# Altium PCB business_card_demo2.PcbDoc
Units mm, origin at the board's own origin, x right, y up, seen from the top; angles counter-clockwise.
Board outline 85.63 x 54.13 mm, 2 copper layers (Top Layer, Bottom Layer); 26 components, 1 nets, 182 pads, 59 vias.
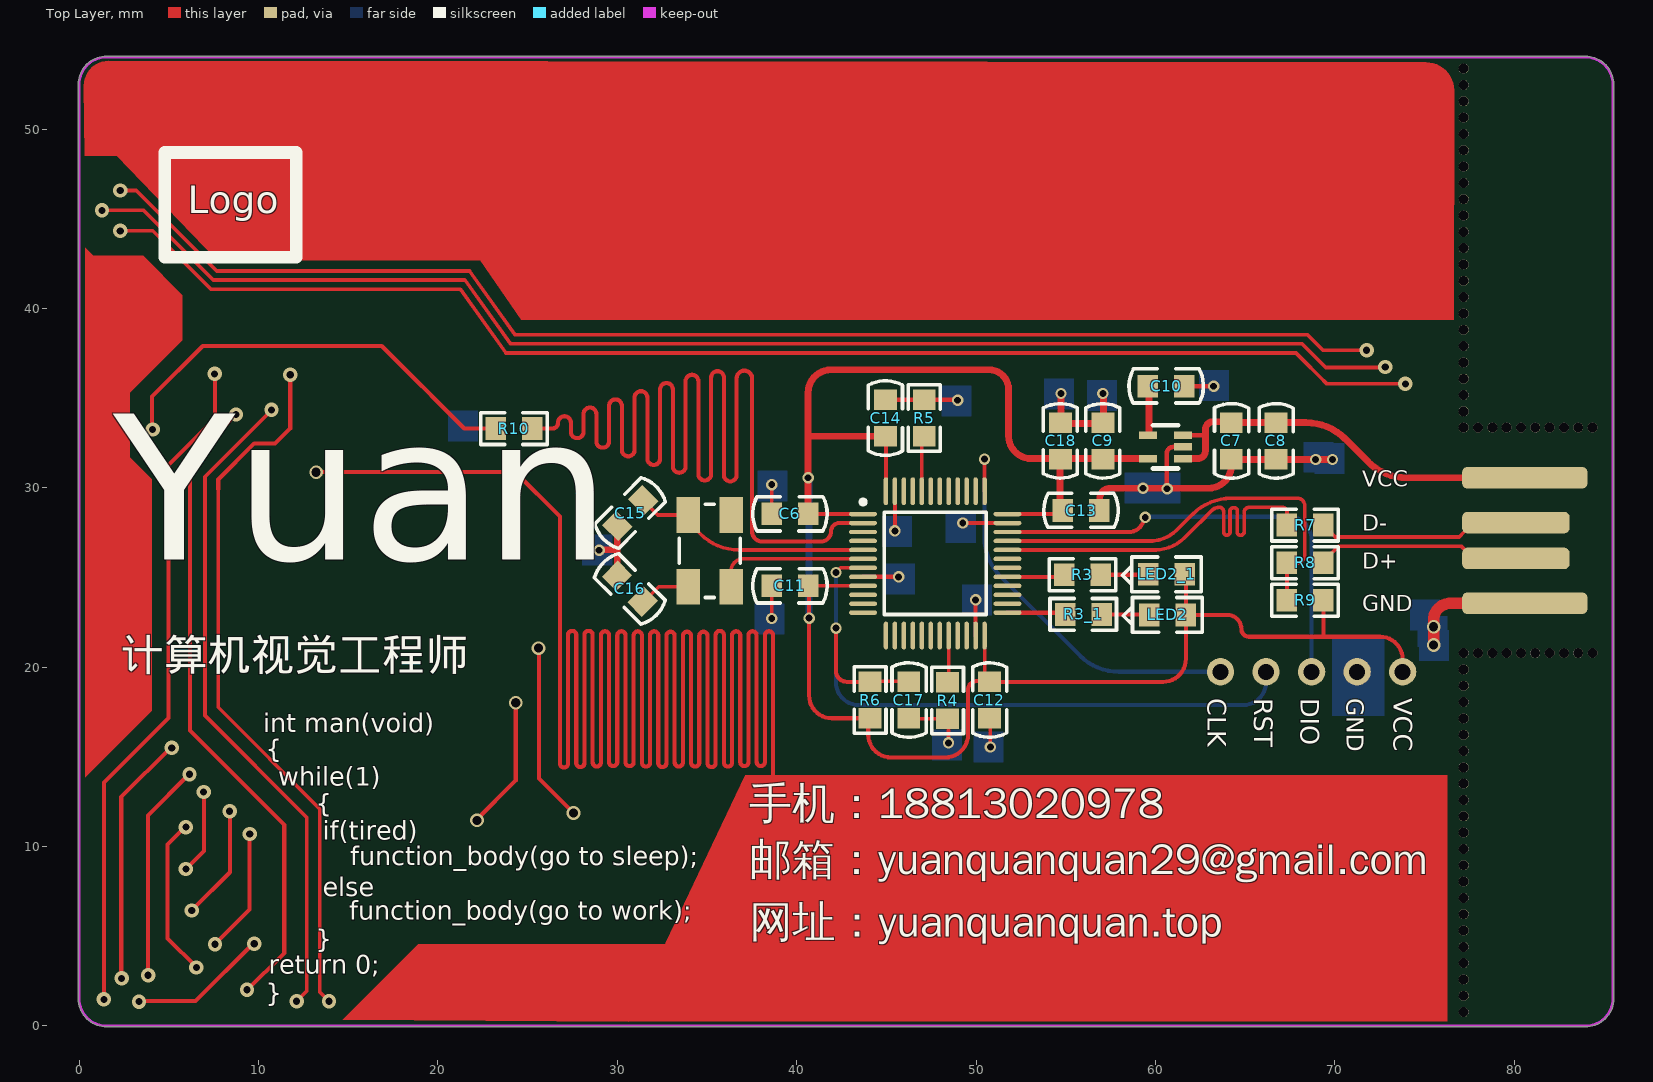
[diagram p0: Top Layer view]
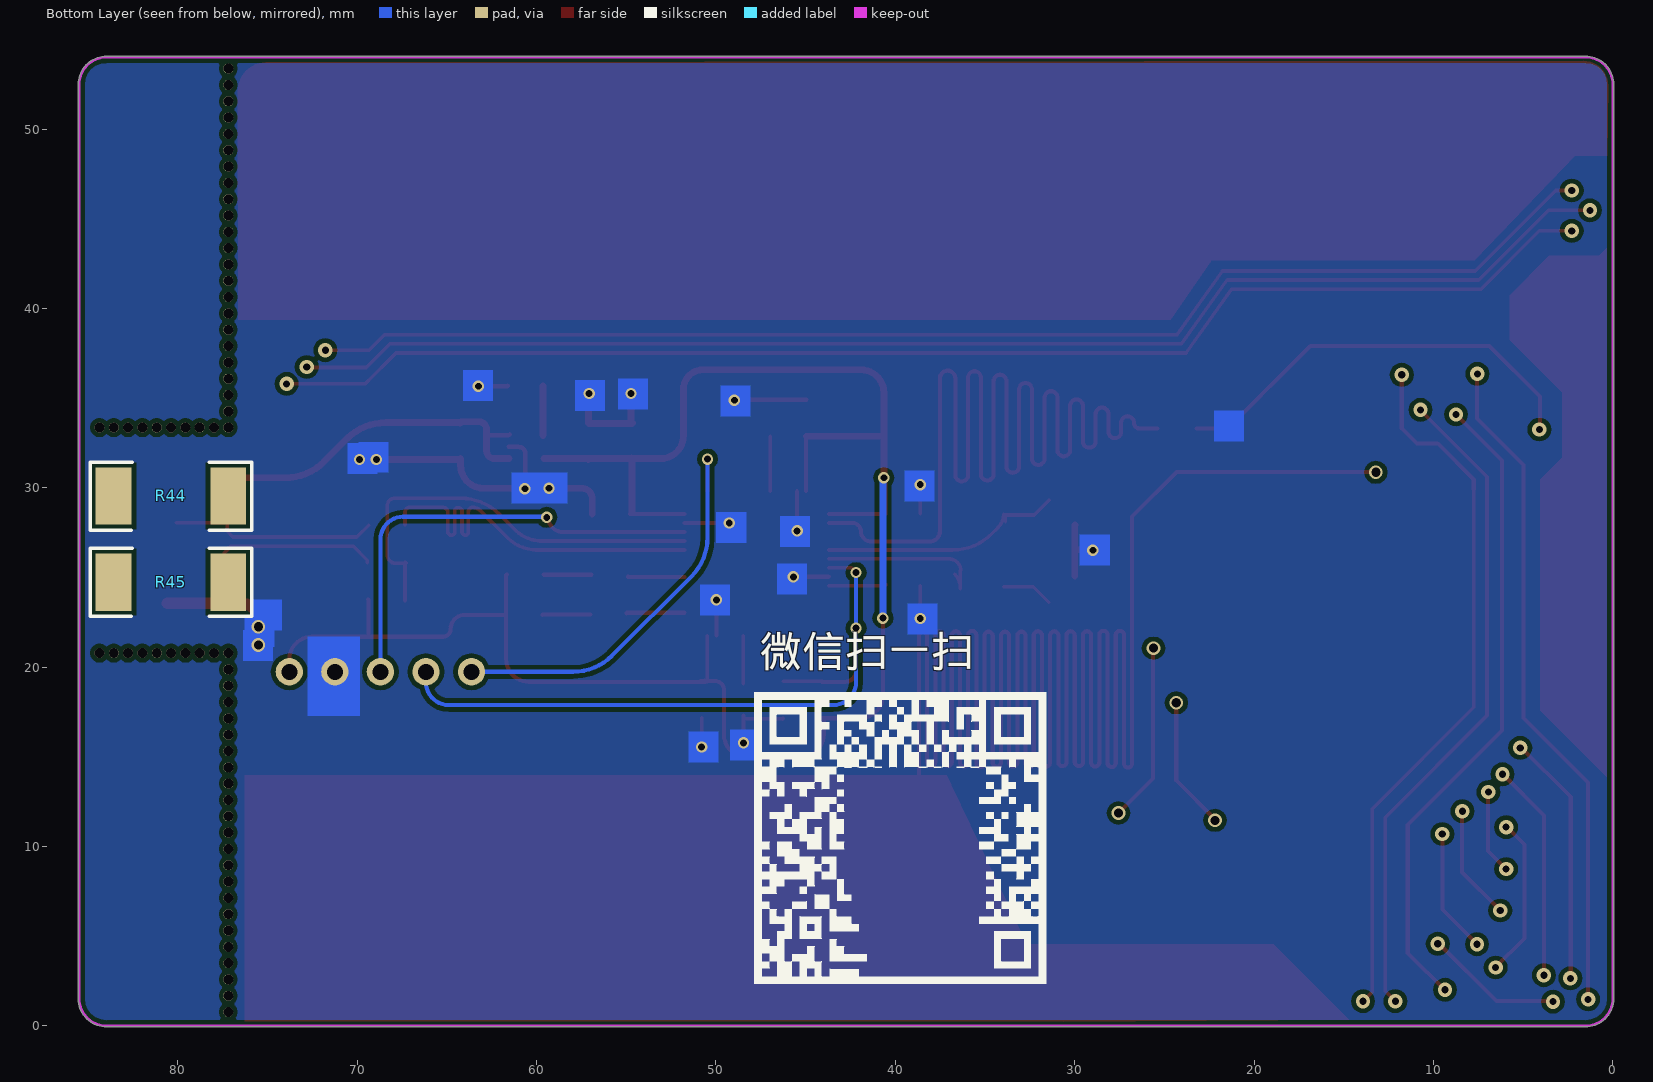
[diagram p1: Bottom Layer view, seen from below]

## Layer stack, top to bottom
Top Solder: solder mask 0.0102, Solder Resist, Dk 3.5
Top Layer: signal copper 0.0356
Dielectric1: dielectric 0.32, FR-4, Dk 4.8
Bottom Layer: signal copper 0.0356
Bottom Solder: solder mask 0.0102, Solder Resist, Dk 3.5

## Board outline
-0.064,1.492 cw(c0,1.499) -0.064,1.499 -0.064,52.451 cw(c0,52.451) -0.063,52.463 -0.063,52.464 cw(c0,52.476) -0.064,52.476 cw(c1.524,52.476) 1.524,54.064 cw(c1.524,54) 1.537,54.063 1.536,54.063 cw(c1.549,54) 1.549,54.064 83.947,54.064 cw(c83.947,54) 83.96,54.063 cw(c83.972,54) 83.972,54.064 cw(c83.972,52.476) 85.56,52.476 cw(c85.496,52.476) 85.56,52.469 cw(c85.5,52.447) 85.564,52.447 85.564,1.401 cw(c85.5,1.401) 85.556,1.371 cw(c83.976,1.524) 83.976,-0.064 1.524,-0.064 cw(c1.524,1.524)

## Design rules (kind name [scope] priority, off if disabled: settings)
Clearance [All] p1: gap=0.254 ignorepadtopadclearanceinfootprint=FALSE except(0: Arc-Hole Track-Hole SMDPad-Hole THPad-Hole Via-Hole Fill-Hole Poly-Hole Region-Hole Text-Hole)
PolygonConnect [All] p1: connectstyle=Relief reliefconductorwidth=0.254 reliefentries=4 polygonreliefangle="90 Angle" airgapwidth=0.254
RoutingVias [All] p1: holewidth=0.711 width=1.27 viastyle="Through Hole" minholewidth=0.711 minwidth=1.27 maxholewidth=0.711 maxwidth=8
SilkToSolderMaskClearance SilkscreenOverComponentPads [IsPad] p1: minsilkscreentomaskgap=0.254 clearancetoexposedcopper=TRUE
SolderMaskExpansion [All] p1: expansion=0.102
Width [All] p1: maxlimit=0.254 minlimit=0.254 preferedwidth=0.254
29 further rules are at their usual default settings.

## Components (designator, comment, footprint, x,y, rotation, side; value= is the part's Value field where it differs from the comment)
C6 "贴片电容" C0805 40.64,28.55 r180 top (schematic designator C54)
C7 "贴片电容" C0805 64.237,33.63 r270 top (schematic designator C54)
C8 "贴片电容" C0805 66.726,33.63 r270 top (schematic designator C54)
C9 "贴片电容" C0805 57.074,31.598 r90 top (schematic designator C54)
C10 "贴片电容" C0805 59.588,35.662 r0 top (schematic designator C54)
C11 "贴片电容" C0805 40.64,24.536 r180 top (schematic designator C54)
C12 "贴片电容" C0805 50.749,19.177 r270 top (schematic designator C54)
C13 "贴片电容" C0805 54.839,28.727 r0 top (schematic designator C54)
C14 "贴片电容" C0805 44.958,32.868 r90 top (schematic designator C54)
C15 "贴片电容" C0805 29.997,27.864 r45 top (schematic designator C54)
C16 "贴片电容" C0805 31.42,23.647 r135 top (schematic designator C54)
C17 "贴片电容" C0805 46.253,19.177 r270 top (schematic designator C54)
C18 "贴片电容" C0805 54.712,31.598 r90 top (schematic designator C54)
LED2 "LED" 0805-LED 61.697,22.911 r180 top
LED2_1 "LED" 0805-LED 61.646,25.171 r180 top (schematic designator LED2)
R3 "贴片电阻" R0805 54.915,25.146 r0 top (schematic designator R59)
R3_1 "贴片电阻" R0805 54.966,22.936 r0 top (schematic designator R59)
R4 "贴片电阻" R0805 48.412,17.12 r90 top (schematic designator R59)
R5 "贴片电阻" R0805 47.117,32.868 r90 top (schematic designator R59)
R6 "贴片电阻" R0805 44.094,17.145 r90 top (schematic designator R59)
R7 "贴片电阻" R0805 67.335,27.915 r0 top (schematic designator R59)
R8 "贴片电阻" R0805 67.335,25.819 r0 top (schematic designator R59)
R9 "贴片电阻" R0805 67.335,23.724 r0 top (schematic designator R59)
R10 "贴片电阻" R0805 25.248,33.299 r180 top (schematic designator R59)
R44 "贴片电阻" R2512 80.391,29.54 r0 bottom
R45 "贴片电阻" R2512 80.391,24.74 r0 bottom (schematic designator R44)

## Footprints (in the part's own frame and the unit in brackets; to place one, negate y for a bottom-side part, rotate by r counter-clockwise, add the part's x,y. Pads: shape width x height; smd on the part's side, far side on the other; paste and mask are expansions set on the pad)
0805-LED [mil]
  rect 45x50 smd: 1(0,0) 2(80,0)
  silkscreen extent -36,-38 137,38
C0805 [mil] "Equal with C2012"
  rect 45x50 smd: 1(0,0) 2(80,0)
  silkscreen extent -42,-37 122,38, body extent -4,-25 74,24, height 31
R0805 [mil]
  rect 45x50 smd: 1(0,0) 2(80,0)
  silkscreen extent -33,-35 113,35, body extent 1,-25 79,24, height 31
R2512 [mm]
  rect 2x3.2 smd: 1(-3.2,0) 2(3.2,0)
  silkscreen extent -4.5,-1.88 4.5,1.91, body extent -3.03,-1.65 3.29,1.55, height 0.62

## Part data
C6 C7 C8 C9 C10 C11 C12 C13 C14 C15 C16 C17 C18: library part Cap, "Capacitor"
LED2 LED2_1: library part LED0, "Typical INFRARED GaAs LED"
R3 R3_1 R4 R5 R6 R7 R8 R9 R10: library part Res1, "Resistor"
R44 R45: library part "Res Semi", "Semiconductor Resistor"

## Free pads (board coordinates)
  round 0.55 hole 0.55 unplated: 0(77.191,0.762) 0(77.191,1.672) 0(77.191,2.582) 0(77.191,3.491) 0(77.191,4.401) 0(77.191,5.311) 0(77.191,6.221) 0(77.191,7.13) 0(77.191,8.04) 0(77.191,8.95) 0(77.191,9.86) 0(77.191,10.77) 0(77.191,11.679) 0(77.191,12.589) 0(77.191,13.499) 0(77.191,14.409) 0(77.191,15.318) 0(77.191,16.228) 0(77.191,17.138) 0(77.191,18.048) 0(77.191,18.958) 0(77.191,19.867) 0(77.191,20.777) 0(77.191,33.35) 0(77.191,34.26) 0(77.191,35.17) 0(77.191,36.08) 0(77.191,36.989) 0(77.191,37.899) 0(77.191,38.809) 0(77.191,39.719) 0(77.191,40.628) 0(77.191,41.538) 0(77.191,42.448) 0(77.191,43.358) 0(77.191,44.268) 0(77.191,45.177) 0(77.191,46.087) 0(77.191,46.997) 0(77.191,47.907) 0(77.191,48.816) 0(77.191,49.726) 0(77.191,50.636) 0(77.191,51.546) 0(77.191,52.456) 0(77.191,53.365) 0(77.989,20.777) 0(77.989,33.35) 0(78.788,20.777) 0(78.788,33.35) 0(79.587,20.777) 0(79.587,33.35) 0(80.385,20.777) 0(80.385,33.35) 0(81.184,20.777) 0(81.184,33.35) 0(81.983,20.777) 0(81.983,33.35) 0(82.781,20.777) 0(82.781,33.35) 0(83.58,20.777) 0(83.58,33.35) 0(84.379,20.777) 0(84.379,33.35)
  rrect50% 6x1.2 smd: 0(80.102,26.056) 0(80.102,28.056)
  rrect50% 7x1.2 smd: 0(80.602,23.556) 0(80.602,30.556)
  rect 1.3x2 smd: 1(36.349,24.479) 2(36.349,28.479) 3(33.949,28.479) 4(33.949,24.479)
  oval 1.55x0.25 smd: 1(43.702,28.531) 2(43.702,28.031) 3(43.702,27.531) 4(43.702,27.031) 5(43.702,26.531) 6(43.702,26.031) 7(43.702,25.531) 8(43.702,25.031) 9(43.702,24.531) 10(43.702,24.031) 11(43.702,23.531) 12(43.702,23.031) 25(51.752,23.031) 26(51.752,23.531) 27(51.752,24.031) 28(51.752,24.531) 29(51.752,25.031) 30(51.752,25.531) 31(51.752,26.031) 32(51.752,26.531) 33(51.752,27.031) 34(51.752,27.531) 35(51.752,28.031) 36(51.752,28.531)
  rect 1x0.42 smd mask+0.051: 1(61.544,31.623) 2(61.544,32.273) 3(61.544,32.923) 4(59.594,32.923) 5(59.594,31.623)
  round 1.524 hole 0.889: 1(63.63,19.737) 2(66.17,19.737) 3(68.71,19.737) 4(71.25,19.737) 5(73.79,19.737)
  oval 0.25x1.55 smd: 13(44.977,21.756) 14(45.477,21.756) 15(45.977,21.756) 16(46.477,21.756) 17(46.977,21.756) 18(47.477,21.756) 19(47.977,21.756) 20(48.477,21.756) 21(48.977,21.756) 22(49.477,21.756) 23(49.977,21.756) 24(50.477,21.756) 37(50.477,29.806) 38(49.977,29.806) 39(49.477,29.806) 40(48.977,29.806) 41(48.477,29.806) 42(47.977,29.806) 43(47.477,29.806) 44(46.977,29.806) 45(46.477,29.806) 46(45.977,29.806) 47(45.477,29.806) 48(44.977,29.806)

## Via types
v1: diameter 0.8, hole 0.4, Top Layer to Bottom Layer, 29 vias
v2: diameter 0.635, hole 0.381, Top Layer to Bottom Layer, 23 vias
v3: diameter 0.762, hole 0.508, Top Layer to Bottom Layer, 7 vias

## Nets (pads, with @x,y where several pads share a name; then routed paths per layer and width w, separated by ;. In a path a pad name is that pad's centre, name@x,y a point inside that pad or via, vN(x,y) a via of type N, cw(c..) or ccw(c..) an arc to the next point about the centre after c; other vN are vias at no path point)
NewNet: 
pads on no net: C6.1 C6.2 C7.1 C7.2 C8.1 C8.2 C9.1 C9.2 C10.1 C10.2 C11.1 C11.2 C12.1 C12.2 C13.1 C13.2 C14.1 C14.2 C15.1 C15.2 C16.1 C16.2 C17.1 C17.2 C18.1 C18.2 LED2.1 LED2.2 LED2_1.1 LED2_1.2 R3.1 R3.2 R3_1.1 R3_1.2 R4.1 R4.2 R5.1 R5.2 R6.1 R6.2 R7.1 R7.2 R8.1 R8.2 R9.1 R9.2 R10.1 R10.2 R44.1 R44.2 R45.1 R45.2
copper on no net: | length 1226.3
  Top Layer w0.152: 33.858,28.092 33.858,28.524
  Top Layer w0.203: v1(1.27,45.466) 3.581,45.466 7.468,41.579 ; v1(2.286,44.323) 4.089,44.323 7.341,41.071 ; v1(2.286,46.571) 3.175,46.571 7.658,42.087 ; 7.747,29.947 7.747,17.755 13.411,12.09 13.411,1.88 v1(13.919,1.372) ; 7.849,42.087 7.658,42.087 ; 8.23,41.071 7.341,41.071 ; 8.357,41.579 7.468,41.579 ; v1@10.744,34.341 7.01,30.607 7.01,17.297 12.675,11.633 12.675,1.93 v1(12.116,1.372) ; 29.997,25.07 29.997,27.864 ; 31.434,29.301 32.256,28.479 33.949,28.479 ; 31.445,23.622 32.302,24.479 33.949,24.479 ; 33.96,28.524 ccw(c35.002,28.524) 34.265,27.787 34.623,27.429 ccw(c36.791,29.597) 36.791,26.531 43.702,26.531 ; 36.347,25.375 cw(c37.004,25.375) 37.004,26.031 38.583,26.031 ; 36.373,24.384 36.373,25.4 ; 36.373,24.435 cw(c37.415,24.435) 36.678,25.172 ; 37.537,26.031 43.702,26.031 ; v2@38.608,22.682 38.608,24.536 ; 38.608,28.55 v2@38.608,30.251 ; 40.767,28.55 ccw(c40.786,28.55) 40.786,28.531 43.702,28.531 ; 40.792,24.536 ccw(c40.798,24.536) 40.798,24.531 43.702,24.531 ; 42.189,21.082 v2@42.189,22.225 ; v2(42.189,25.273) 42.447,25.531 43.702,25.531 ; 44.069,19.202 46.253,19.202 ; 44.977,29.806 44.977,32.912 44.983,32.918 ; 46.304,17.094 ccw(c46.253,17.094) 46.253,17.145 ccw(c46.279,17.145) 46.279,17.12 48.412,17.12 ; 46.977,29.806 46.977,32.88 ; v2(48.463,15.773) 48.463,17.297 ; 48.477,19.063 48.477,21.756 ; 50.47,19.177 50.477,19.184 50.477,21.756 ; v2(50.8,15.545) 50.8,17.17 ; 51.752,26.531 60.04,26.531 ; 51.752,27.031 59.848,27.031 ; 51.752,28.531 54.806,28.531 ; 59.715,27.031 ccw(c59.715,29.129) 61.199,27.646 62.069,28.515 cw(c64.237,26.347) 64.237,29.413 66.298,29.413 67.92,29.413 cw(c67.92,29.007) 68.326,29.007 68.326,26.264 cw(c67.843,26.264) 67.843,25.781 67.31,25.781 cw(c67.31,25.806) 67.285,25.806 ; 59.969,26.531 ccw(c59.969,28.894) 61.64,27.223 62.432,28.015 ; 62.408,27.991 62.483,28.066 63.143,28.726 cw(c63.576,28.292) 63.576,28.905 cw(c63.576,28.677) 63.805,28.677 63.805,28.575 63.805,27.534 ccw(c63.983,27.534) 63.983,27.356 ccw(c63.983,27.534) 64.16,27.534 64.16,28.702 cw(c64.338,28.702) 64.338,28.88 ; 64.381,28.88 64.414,28.88 cw(c64.414,28.727) 64.567,28.727 64.567,27.508 ccw(c64.719,27.508) 64.719,27.356 64.774,27.356 ccw(c64.774,27.529) 64.948,27.529 64.948,28.626 cw(c65.227,28.626) 65.227,28.905 67.081,28.905 cw(c67.081,28.651) 67.335,28.651 67.335,27.94 ; 69.037,37.973 69.342,37.668 ; 69.139,36.22 69.571,35.789 v1(73.939,35.789) ; 69.367,27.915 70.028,27.254 76.937,27.254 77.256,27.574 77.256,28.056 80.102,28.056 77.612,28.056 ; 69.444,25.832 69.444,25.959 70.231,26.746 77.038,26.746 77.419,26.365 77.419,26.314 ; 69.558,35.801 67.844,37.515 23.787,37.515 21.247,41.071 7.341,41.071 ; v1(71.78,37.668) 69.342,37.668 ; v1@71.857,37.668 69.342,37.668 ; v1@72.796,36.703 69.494,36.703 68.174,38.023 24.041,38.023 21.501,41.579 7.468,41.579 ; 7.658,42.087 21.755,42.087 24.295,38.531 68.479,38.531 69.342,37.668
  Top Layer w0.229: v1@1.372,1.524 1.372,13.564 4.978,17.17 4.978,31.267 7.569,33.858 v1@7.569,36.373 ; v1@2.337,2.642 2.337,12.751 v1@5.131,15.545 ; v1@3.378,1.372 6.477,1.372 v1@9.728,4.623 ; v1@3.835,2.794 3.835,11.735 v1@6.096,13.995 ; v1@4.064,33.249 4.064,35.077 6.883,37.897 16.866,37.897 21.412,33.35 ; v1@5.842,8.636 6.96,9.754 v1@6.96,13.056 ; v1@5.918,11.1 4.928,10.109 4.928,4.877 v1@6.553,3.251 ; v1@6.325,6.477 8.407,8.56 v1@8.407,11.963 ; v1@7.544,4.521 9.5,6.477 v1@9.5,10.744 ; 7.747,29.921 7.747,30.455 9.754,32.461 10.922,32.461 11.76,33.299 v1(11.76,36.297) ; v1(8.738,34.087) 6.172,31.521 6.172,16.459 11.43,11.201 11.43,4.064 v1@9.271,1.905 ; v3@13.233,30.886 24.308,30.886 26.797,28.397 26.797,14.681 ; 19.608,35.155 21.463,33.299 22.073,33.299 ; 21.488,33.299 23.216,33.299 ; v3@22.098,11.43 24.333,13.665 24.333,14.072 ; 24.333,14.046 v3(24.333,18.009) ; 25.375,33.299 26.365,33.299 ccw(c26.365,33.63) 26.695,33.63 cw(c27.051,33.63) 27.051,33.985 cw(c27.051,33.63) 27.407,33.63 27.407,33.147 ; v3@25.629,21.031 25.629,13.792 v3(27.559,11.862) ; 26.797,14.656 26.797,14.63 ccw(c27.026,14.63) 27.026,14.402 ccw(c27.026,14.63) 27.254,14.63 27.254,21.793 cw(c27.483,21.793) 27.483,22.022 cw(c27.483,21.793) 27.711,21.793 ; 27.407,33.122 ccw(c27.762,33.122) 27.762,32.766 ccw(c27.762,33.122) 28.118,33.122 28.118,34.112 cw(c28.473,34.112) 28.473,34.468 cw(c28.473,34.112) 28.829,34.112 ; 27.711,14.63 27.711,21.793 ; 27.711,14.656 ccw(c27.94,14.656) 27.94,14.427 ccw(c27.94,14.656) 28.169,14.656 ; 27.711,21.768 27.711,21.793 ; 28.169,14.63 28.169,21.793 cw(c28.397,21.793) 28.397,22.022 cw(c28.397,21.793) 28.626,21.793 28.626,21.819 28.626,14.656 ; 28.626,14.681 ccw(c28.854,14.681) 28.854,14.453 ccw(c28.854,14.681) 29.083,14.681 29.083,21.742 ; 28.829,32.588 ccw(c29.185,32.588) 29.185,32.233 ccw(c29.185,32.588) 29.54,32.588 29.54,34.569 cw(c29.896,34.569) 29.896,34.925 cw(c29.896,34.569) 30.251,34.569 ; 28.829,32.614 28.829,34.138 ; v2(28.981,26.518) 29.997,26.518 ; 29.083,21.768 cw(c29.312,21.768) 29.312,21.996 cw(c29.312,21.768) 29.54,21.768 ; 29.54,21.793 29.54,21.768 ; 30.251,32.106 ccw(c30.607,32.106) 30.607,31.75 ccw(c30.607,32.106) 30.963,32.106 ; 30.251,32.131 30.251,34.595 ; 30.455,21.793 30.455,21.768 ; 30.963,32.156 30.963,35.027 cw(c31.318,35.027) 31.318,35.382 cw(c31.318,35.027) 31.674,35.027 31.674,31.598 ; 31.369,14.681 ccw(c31.598,14.681) 31.598,14.453 ccw(c31.598,14.681) 31.826,14.681 ; 31.369,14.707 31.369,21.768 ; 31.369,21.793 31.369,21.768 ; 31.674,31.623 ccw(c32.029,31.623) 32.029,31.267 ccw(c32.029,31.623) 32.385,31.623 32.385,35.484 cw(c32.741,35.484) 32.741,35.839 cw(c32.741,35.484) 33.096,35.484 ; 31.826,14.605 31.826,21.768 cw(c32.055,21.768) 32.055,21.996 cw(c32.055,21.768) 32.283,21.768 32.283,21.793 32.283,14.63 ; 32.283,14.656 ccw(c32.512,14.656) 32.512,14.427 ccw(c32.512,14.656) 32.741,14.656 32.741,21.717 ; 32.741,21.742 cw(c32.969,21.742) 32.969,21.971 cw(c32.969,21.742) 33.198,21.742 ; 33.096,35.509 33.096,31.191 ccw(c33.452,31.191) 33.452,30.836 ccw(c33.452,31.191) 33.807,31.191 ; 33.198,21.768 33.198,21.742 ; 33.807,31.217 33.807,35.966 ; 33.807,35.941 cw(c34.163,35.941) 34.163,36.297 cw(c34.163,35.941) 34.519,35.941 34.519,30.759 ccw(c34.874,30.759) 34.874,30.404 ccw(c34.874,30.759) 35.23,30.759 ; 34.112,21.768 34.112,21.742 ; 35.027,14.656 ccw(c35.255,14.656) 35.255,14.427 ccw(c35.255,14.656) 35.484,14.656 ; 35.027,14.681 35.027,21.742 ; 35.027,21.768 35.027,21.742 ; 35.23,30.734 35.23,36.144 cw(c35.585,36.144) 35.585,36.5 cw(c35.585,36.144) 35.941,36.144 ; 35.484,14.63 35.484,21.793 cw(c35.712,21.793) 35.712,22.022 cw(c35.712,21.793) 35.941,21.793 35.941,21.819 35.941,14.656 ; 35.941,14.681 ccw(c36.17,14.681) 36.17,14.453 ccw(c36.17,14.681) 36.398,14.681 36.398,21.742 ; 35.941,36.119 35.941,30.709 ccw(c36.297,30.709) 36.297,30.353 ccw(c36.297,30.709) 36.652,30.709 36.652,36.093 cw(c37.084,36.093) 37.084,36.525 cw(c37.084,36.093) 37.516,36.093 37.516,27.559 ccw(c38.075,27.559) 38.075,27 41.351,27 ccw(c41.351,27.559) 41.91,27.559 cw(c42.382,27.559) 42.382,28.031 43.702,28.031 ; 36.398,21.768 cw(c36.627,21.768) 36.627,21.996 cw(c36.627,21.768) 36.855,21.768 ; 36.855,21.793 36.855,21.768 ; 37.77,21.793 37.77,21.768 ; 38.684,13.487 38.684,21.768 ; 38.684,21.793 38.684,21.768 ; 40.691,24.536 40.691,19.456 40.691,18.415 ccw(c41.961,18.415) 41.961,17.145 44.094,17.145 ; v2(42.189,22.174) 42.189,19.787 ccw(c42.799,19.787) 42.799,19.177 44.069,19.177 ccw(c44.069,19.202) 44.094,19.202 ; 43.993,17.145 43.993,16.231 ccw(c45.263,16.231) 45.263,14.961 48.285,14.961 ccw(c48.285,16.231) 49.555,16.231 49.555,18.72 cw(c50.063,18.72) 50.063,19.228 50.876,19.228 ; v2(45.477,27.595) 45.477,29.806 ; v2(49.261,28.031) 51.752,28.031 ; 49.977,21.756 49.977,23.891 v2@49.987,23.901 ; 50.477,29.806 v2@50.477,31.692 ; 50.597,19.177 59.944,19.177 ; 50.597,19.253 cw(c50.597,19.177) 50.673,19.177 ; 51.752,23.031 54.947,23.031 cw(c54.947,22.987) 54.991,22.987 ; 51.752,25.031 54.901,25.031 ccw(c54.901,25.044) 54.915,25.044 ; 51.752,27.531 57.312,27.531 ; 56.134,27.531 58.519,27.531 ccw(c58.519,28.384) v2@59.372,28.384 ; 56.947,25.146 59.588,25.146 ccw(c59.588,25.171) 59.614,25.171 ; 56.998,22.936 59.639,22.936 cw(c59.639,22.911) 59.665,22.911 ; 59.919,19.177 60.427,19.177 ccw(c60.427,20.447) 61.697,20.447 61.697,20.932 61.697,23.038 ; 61.646,25.171 cw(c61.646,25.121) 61.697,25.121 61.697,22.911 64.008,22.911 cw(c64.008,22.123) 64.795,22.123 ccw(c65.227,22.123) 65.227,21.692 65.964,21.692 ; 65.938,21.692 72.52,21.692 cw(c72.52,20.422) 73.79,20.422 73.79,19.737 ; 67.335,23.724 67.335,25.819 ; 69.367,21.692 69.367,23.749 cw(c69.393,23.749) 69.393,23.774 ; 29.54,21.768 29.54,14.707 ccw(c29.769,14.707) 29.769,14.478 ccw(c29.769,14.707) 29.997,14.707 29.997,21.768 cw(c30.226,21.768) 30.226,21.996 cw(c30.226,21.768) 30.455,21.768 ; 30.455,21.768 30.455,14.707 ccw(c30.683,14.707) 30.683,14.478 ccw(c30.683,14.707) 30.912,14.707 30.912,21.768 cw(c31.14,21.768) 31.14,21.996 cw(c31.14,21.768) 31.369,21.768 ; 33.198,21.742 33.198,14.681 ccw(c33.426,14.681) 33.426,14.453 ccw(c33.426,14.681) 33.655,14.681 33.655,21.742 cw(c33.884,21.742) 33.884,21.971 cw(c33.884,21.742) 34.112,21.742 ; 34.112,21.742 34.112,14.681 ccw(c34.341,14.681) 34.341,14.453 ccw(c34.341,14.681) 34.569,14.681 34.569,21.742 cw(c34.798,21.742) 34.798,21.971 cw(c34.798,21.742) 35.027,21.742 ; 36.855,21.768 36.855,14.707 ccw(c37.084,14.707) 37.084,14.478 ccw(c37.084,14.707) 37.313,14.707 37.313,21.768 cw(c37.541,21.768) 37.541,21.996 cw(c37.541,21.768) 37.77,21.768 ; 37.77,21.768 37.77,14.707 ccw(c37.998,14.707) 37.998,14.478 ccw(c37.998,14.707) 38.227,14.707 38.227,21.768 cw(c38.456,21.768) 38.456,21.996 cw(c38.456,21.768) 38.684,21.768
  Top Layer w0.254: 43.702,25.031 v2(45.683,25.031) ; 43.917,36.576 50.673,36.576 cw(c50.673,35.433) 51.816,35.433 51.816,33.02 ccw(c53.238,33.02) 53.238,31.598 54.712,31.598 ; 44.958,34.9 v2@48.971,34.9 ; v2(60.655,29.947) cw(c60.655,29.972) 60.63,29.972 60.63,31.902 cw(c61,31.902) 61,32.273 61.544,32.273 ; 61.493,32.969 cw(c61.493,32.944) 61.519,32.944 ; 61.544,32.923 62.793,32.923 ccw(c62.793,32.969) 62.84,32.969 ; 61.62,35.687 ccw(c61.646,35.687) 61.646,35.662 v2(63.246,35.662)
  Top Layer w0.381: v2@28.956,26.543 29.972,26.543 cw(c29.972,26.518) 29.997,26.518 ; 29.972,27.915 cw(c29.972,27.889) 29.997,27.889 29.997,25.07 ; 40.64,24.587 cw(c40.64,24.536) 40.691,24.536 ; 40.64,28.55 40.64,35.306 cw(c41.91,35.306) 41.91,36.576 44.018,36.576 ; 40.64,32.868 44.958,32.868 ; 43.993,36.576 50.724,36.576 cw(c50.724,35.484) 51.816,35.484 51.816,32.893 ccw(c53.086,32.893) 53.086,31.623 57.074,31.623 cw(c57.074,31.572) 57.125,31.572 ; 54.661,33.604 ccw(c54.686,33.604) 54.686,33.579 57.074,33.579 ; 54.686,28.6 54.686,31.623 cw(c54.712,31.623) 54.712,31.648 ; 54.712,31.598 54.737,31.623 59.594,31.623 ; 54.712,33.63 ccw(c54.712,33.655) 54.737,33.655 v2@54.737,35.331 ; 56.896,28.524 56.896,29.388 cw(c57.48,29.388) 57.48,29.972 62.967,29.972 ccw(c62.967,31.242) 64.237,31.242 64.237,31.623 ccw(c64.287,31.623) 64.287,31.572 66.878,31.572 ; 57.023,33.63 ccw(c57.074,33.63) 57.074,33.579 ; v2@57.099,35.357 57.099,33.604 cw(c57.074,33.604) 57.074,33.579 ; 59.639,32.918 59.639,35.687 ; 61.544,31.623 62.357,31.623 ccw(c62.357,32.055) 62.789,32.055 62.789,33.249 cw(c63.221,33.249) 63.221,33.68 64.186,33.68 ; 64.237,33.63 ccw(c64.262,33.63) 64.262,33.604 cw(c64.287,33.604) 64.287,33.63 66.726,33.63 68.402,33.63 cw(c68.402,30.564) 70.57,32.732 71.848,31.454 ccw(c74.016,33.622) 74.016,30.556 77.398,30.556 ccw(c77.398,30.73) 77.521,30.607 ; 66.7,31.572 v2@69.901,31.572
  Top Layer w0.508: 71.247,19.809 cw(c71.25,19.809) 71.25,19.812
  Top Layer w0.635: v3(75.514,21.234) 75.514,22.616 cw(c76.454,22.616) 76.454,23.556 ; 76.393,23.556 80.602,23.556
  Bottom Layer w0.203: v2(42.189,22.174) v2(42.189,25.273)
  Bottom Layer w0.229: v2@42.164,22.174 cw(c42.103,22.113) v2@42.189,22.113 ; v2@42.189,22.2 42.189,19.152 ccw(c43.459,19.152) 43.459,17.882 64.9,17.882 ccw(c64.9,19.152) 66.17,19.152 66.17,19.737 ; v2(50.47,31.598) 50.47,27.229 ccw(c53.536,27.229) 51.368,25.061 55.793,20.635 ccw(c57.961,22.803) 57.961,19.737 63.63,19.737 ; v2@59.372,28.384 67.44,28.384 cw(c67.44,27.114) 68.71,27.114 68.71,19.737
  Bottom Layer w0.381: v2@40.64,22.784 ccw(c40.691,22.784) v2(40.691,22.733) 40.691,30.505 ccw(c40.64,30.505) v2(40.64,30.556)
  other v1: 3.327,1.346 1.372,1.473 9.347,2.007 2.362,2.642 3.835,2.819 6.528,3.251 7.569,4.547 9.754,4.572 6.274,6.426 5.944,8.738 9.5,10.693 5.944,11.074 8.382,11.963 6.934,13.03 6.147,14.021 5.156,15.494 4.089,33.249 10.719,34.341 7.544,36.347 72.822,36.728
  other v2: 38.608,22.708 49.977,23.749 59.436,28.346 59.309,29.972 38.608,30.175 68.936,31.572 69.875,31.572 48.971,34.874 54.737,35.255 57.074,35.255
  other v3: 22.174,11.455 25.603,21.057 75.514,22.25 13.208,30.861

## Polygon pours and split planes (outlines as drawn)
no net on Bottom Layer "Top Layer-No Net" (solid, pour order 1000): 0,0.025 83.951,0.025 ccw(c83.951,1.575) 85.5,1.575 85.5,52.422 ccw(c83.871,52.422) 83.871,54.051 1.549,54.051 ccw(c1.549,52.451) -0.051,52.451 -0.051,20.752 ccw(c0,20.752) 0,20.701

## Keep-outs
Keep-Out Layer:
  lines w0.127: 0,1.499 0,52.451 ; 0,1.524 ccw(c1.524,1.524) 1.524,0 83.976,0 ccw(c83.976,1.524) 85.5,1.524 ; 0,52.476 cw(c1.524,52.476) 1.524,54 ; 1.549,54 83.947,54 ; 83.972,54 cw(c83.972,52.476) 85.496,52.476 ; 85.5,1.401 85.5,52.447

## Other copper
Top Layer:
  region: 0.305,48.514 2.083,48.514 7.696,42.672 22.352,42.672 24.638,39.37 76.632,39.37 76.654,52.168 ccw(c75.104,52.168) 75.104,53.718 1.648,53.8 ccw(c1.648,52.403) 0.251,52.403
  region: 30.607,0.229 37.135,13.97 76.276,13.97 76.276,0.254
  region: 14.681,0.33 18.898,4.547 32.944,4.547 32.944,2.565 30.607,0.229
  region: 0.33,43.383 0.787,42.926 3.556,42.926 5.74,40.742 5.74,38.227 2.819,35.306 2.819,31.699 4.039,30.48 4.039,17.577 0.33,13.868
Bottom Layer:
  rectangle: 53.797,34.366 55.474,36.093
  rectangle: 56.185,34.29 57.861,36.017
  rectangle: 62.433,34.849 64.11,36.576
  rectangle: 59.715,29.134 61.392,30.861
  rectangle: 58.268,29.108 59.944,30.836
  rectangle: 68.859,30.759 70.536,32.487
  rectangle: 68.25,30.836 69.926,32.563
  rectangle: 74.193,22.047 75.87,23.774
  rectangle: 74.625,21.133 76.302,22.86
  rectangle: 74.701,20.345 76.378,22.073
  rectangle: 49.86,14.681 51.537,16.408
  rectangle: 47.549,14.783 49.225,16.51
  rectangle: 44.755,26.695 46.431,28.423
  rectangle: 48.311,26.924 49.987,28.651
  rectangle: 49.225,22.885 50.902,24.613
  rectangle: 44.933,24.054 46.609,25.781
  rectangle: 37.643,21.819 39.319,23.546
  rectangle: 37.821,29.235 39.497,30.963
  rectangle: 48.082,33.96 49.759,35.687
  rectangle: 20.549,32.588 22.225,34.315
  rectangle: 28.042,25.654 29.718,27.381
  rectangle: 69.85,17.272 72.771,21.717

## Silkscreen, mask and mechanical layers (free items; w line width, h text height)
Top Overlay:
  circle w0.25: c43.702,29.206 r0.125
  lines w0.2: 33.449,25.779 33.449,27.179 ; 34.899,23.879 35.399,23.879 ; 34.899,29.079 35.399,29.079 ; 36.849,25.779 36.849,27.179 ; 44.877,22.931 44.877,28.631 50.577,28.631 50.577,22.931 44.877,22.931
  lines w0.254: 59.869,31.073 61.269,31.073 ; 59.869,33.473 61.269,33.473
  lines w0.7: 12.04,48.692 4.775,48.692 4.775,42.85 12.09,42.85 12.09,48.692
  text "Logo" at 6.045,45.314 h1.52
  text "VCC" at 71.526,29.743 h1.52
  text "D-" at 71.526,27.305 h1.52
  text "D+" at 71.526,25.171 h1.52
  text "Yuan" at 1.88,23.089 h15.24
  text "GND" at 71.526,22.809 h1.52
  text "计算机视觉工程师" at 2.311,19.228 h3.05
  text "CLK" at 62.563,18.248 h1.78 r270
  text "RST" at 65.154,18.248 h1.78 r270
  text "DIO" at 67.745,18.248 h1.78 r270
  text "GND" at 70.336,18.248 h1.65 r270
  text "VCC" at 72.927,18.248 h1.78 r270
  text "int man(void)" at 10.262,16.002 h1.78
  text "{" at 10.389,14.552 h1.78
  text "while(1)" at 11.1,13.028 h1.78
  text "{" at 13.183,11.527 h1.78
  text "手机：18813020978" at 37.366,10.998 h3
  text "if(tired)" at 13.564,10.003 h1.78
  text "function_body(go to sleep);" at 15.113,8.579 h1.78
  text "邮箱：yuanquanquan29@gmail.com" at 37.36,7.87 h3
  text "else" at 13.564,6.849 h1.78
  text "function_body(go to work);" at 15.062,5.555 h1.78
  text "网址：yuanquanquan.top" at 37.38,4.383 h3
  text "}" at 13.183,3.965 h1.78
  text "return 0;" at 10.566,2.524 h1.78
  text "}" at 10.389,0.94 h1.78
Bottom Overlay:
  drawing of 4463 lines, arcs and shapes, not listed
  text "微信扫一扫" at 47.6,19.431 h3
Mechanical 1:
  lines w0.127: 0,1.499 0,52.451 ; 0,1.524 ccw(c1.524,1.524) 1.524,0 83.976,0 ccw(c83.976,1.524) 85.5,1.524 ; 0,52.476 cw(c1.524,52.476) 1.524,54 ; 1.549,54 83.947,54 ; 83.972,54 cw(c83.972,52.476) 85.496,52.476 ; 85.5,1.401 85.5,52.447
Mechanical 2:
  text "C235316" at 60.452,32.156 h0.05
  text "C133333" at 33.706,27.229 h0.15

## Dimensions
83.976,0 to 83.947,54 on Mechanical 2
85.5,1.401 to 0,1.499 on Mechanical 2